# KiCad board 2000ATX.kicad_pcb
title: Amiga 2000 EATX; date: 2024-06-02; rev: 3.1
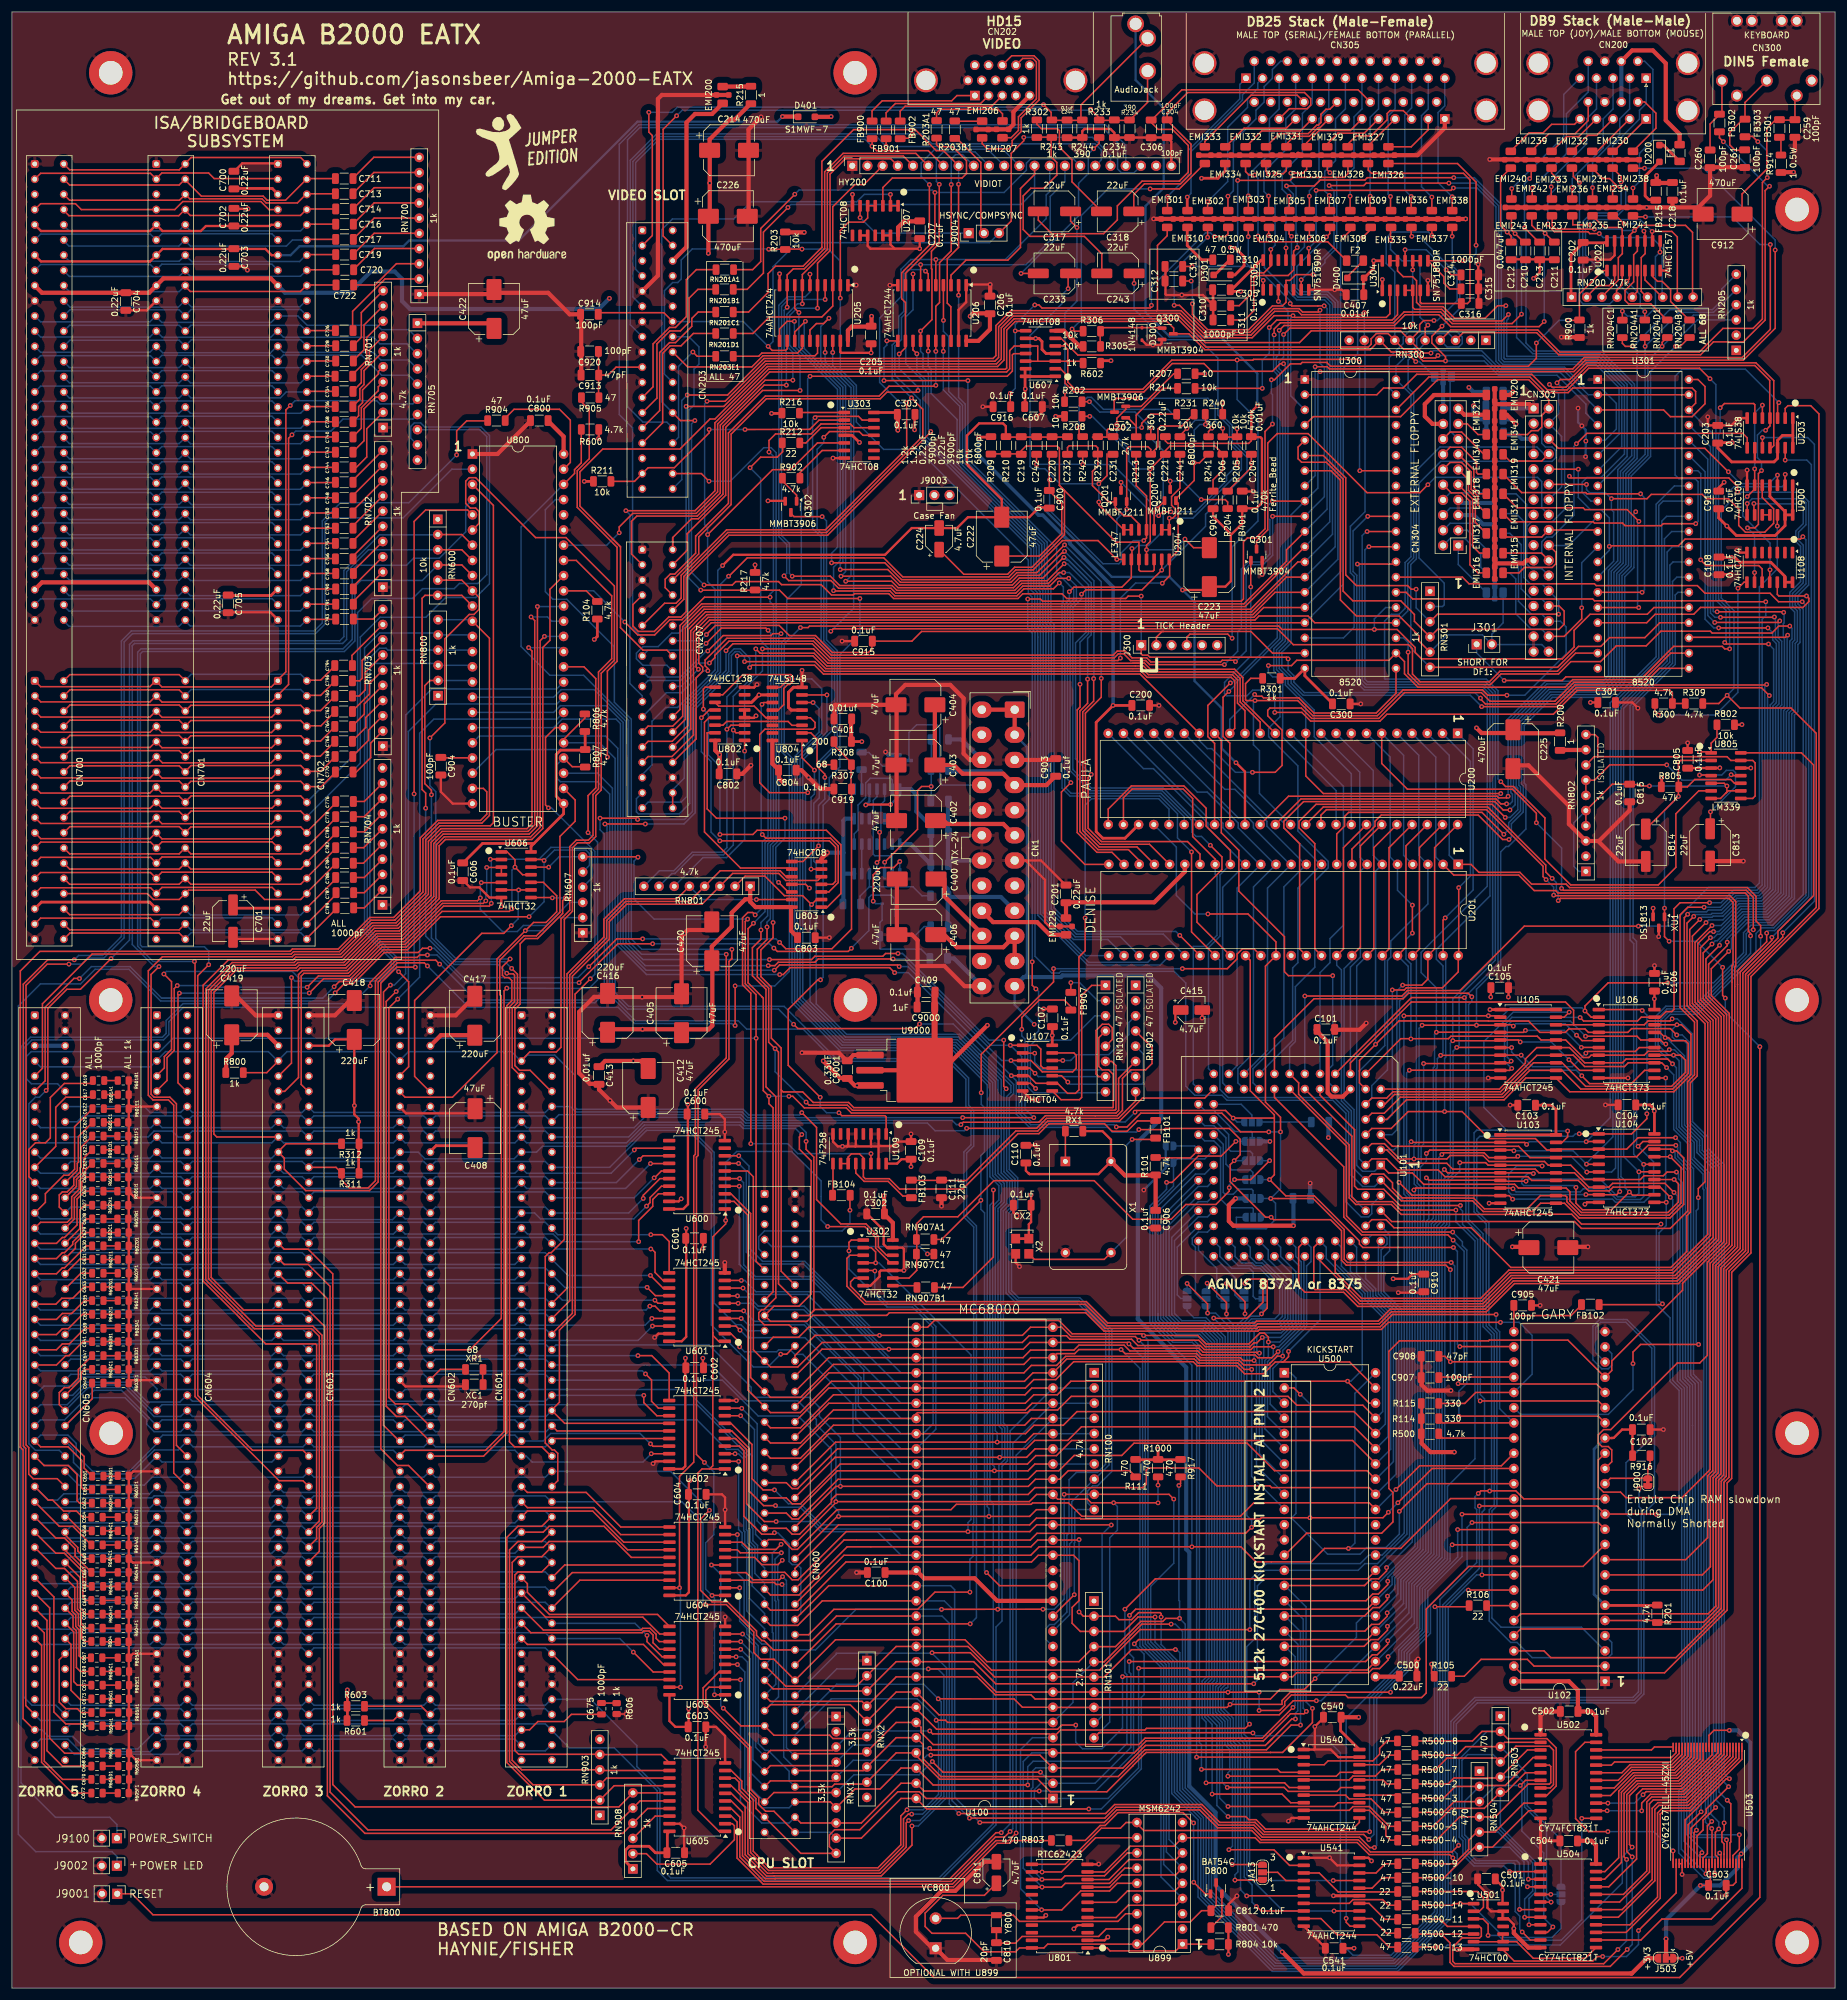
[diagram p0: board, top side]
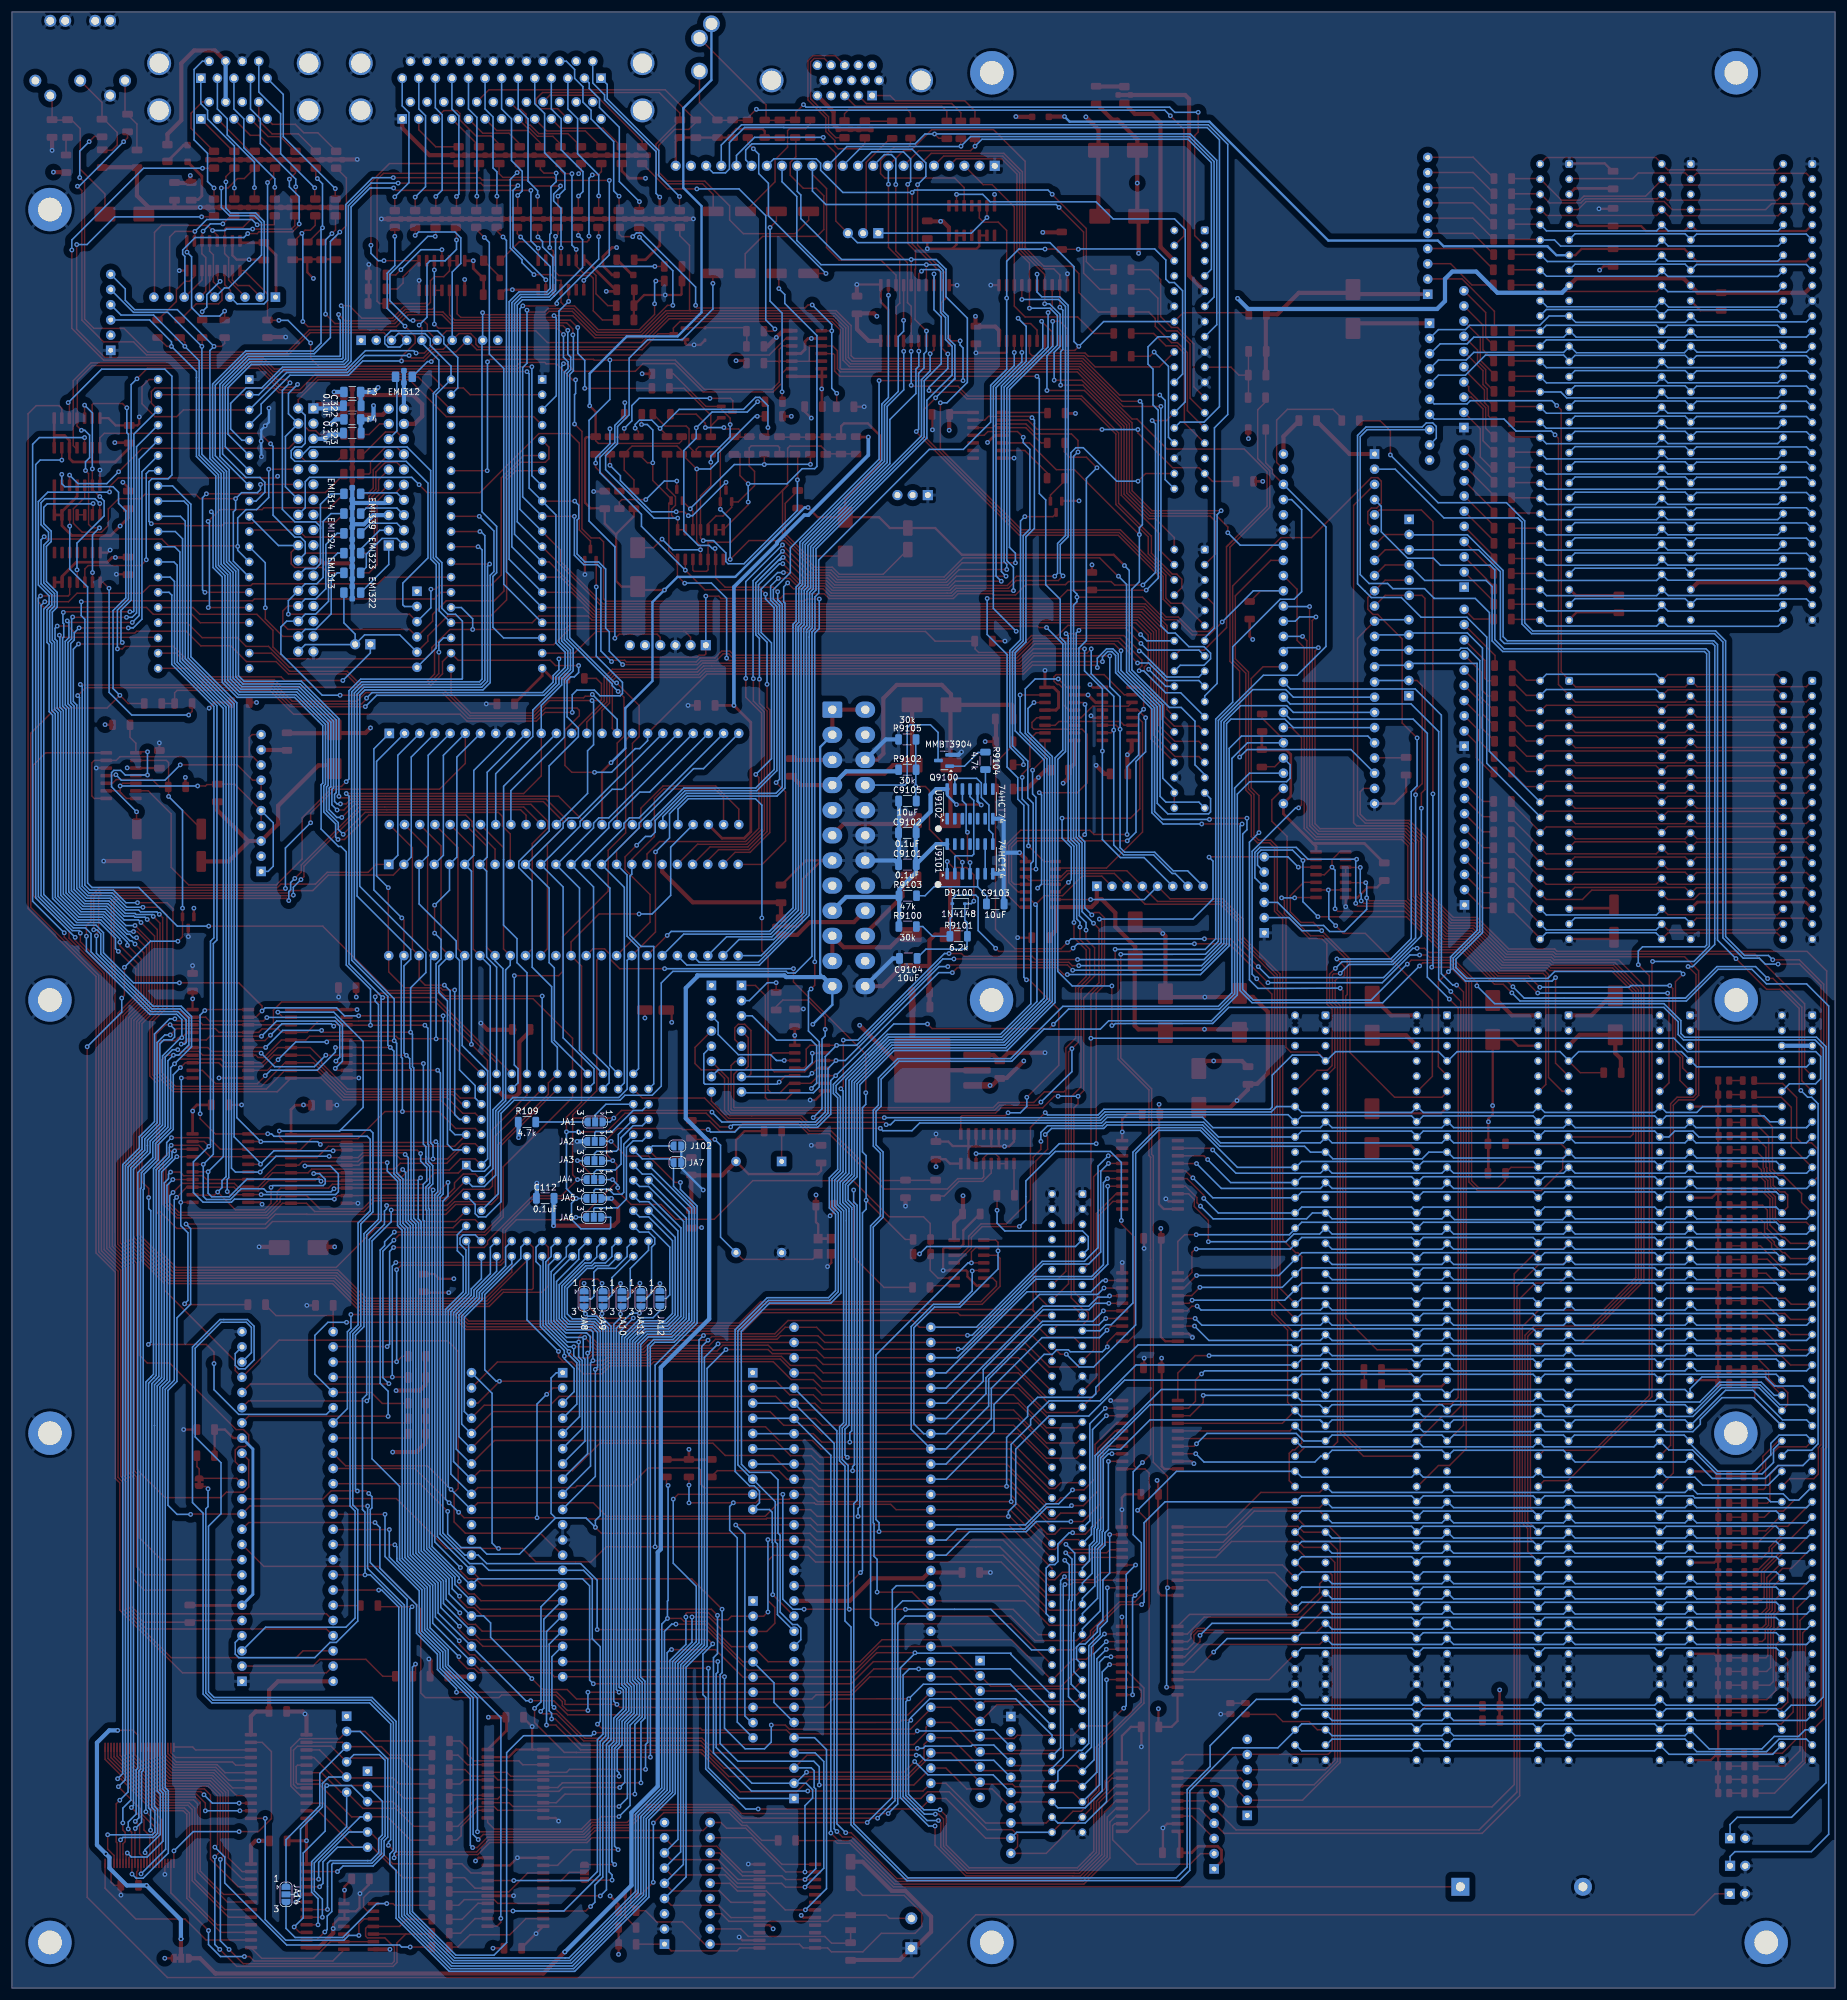
[diagram p1: board, bottom side, seen from below]

Outline 304.8 x 330.2 mm; copper layers: Top, In1.Cu (plane), In2.Cu (plane), Bottom. Coordinates in mm from the lower left corner of the outline.
Outline path: 0,330.2 304.8,330.2 304.8,0 0,0 0,330.2
Stack: Top 0.035mm / dielectric 0.48mm FR4 er 4.5 / In1.Cu 0.035mm / dielectric 0.48mm FR4 er 4.5 / In2.Cu 0.035mm / dielectric 0.48mm FR4 er 4.5 / Bottom 0.035mm

## Placement (name value [footprint] x y rotation side)
BT800  Battery_Cell  [BatteryHolder_Keystone_103_1x20mm]  62.64 16.92 180 top
C100  0.1uF  [C_1206_3216Metric]  144.5 69.43 180 top
C101  0.1uF  [C_1206_3216Metric]  219.67 160.18 0 top
C102  0.1uF  [C_1206_3216Metric]  272.41 93.32 0 top
C103  0.1uF  [C_1206_3216Metric]  253.24 147.52 180 top
C104  0.1uF  [C_1206_3216Metric]  270 147.57 180 top
C105  0.1uF  [C_1206_3216Metric]  248.74 167.17 0 top
C106  0.1uF  [C_1206_3216Metric]  274.61 168.07 90 top
C107  0.1uF  [C_1206_3216Metric]  173.96 162.12 90 top
C108  0.1uF  [C_1206_3216Metric]  285.39 237.64 90 top
C109  0.1uF  [C_1206_3216Metric]  150.32 139.97 270 top
C110  0.1uF  [C_1206_3216Metric]  169.52 139.34 90 top
C111  22pF  [C_1206_3216Metric]  155.41 133.53 270 top
C112  0.1uF  [C_1206_3216Metric]  215.65 131.97 180 bottom
C200  0.1uF  [C_1206_3216Metric]  188.72 214.33 0 top
C201  0.22uF  [C_1206_3216Metric]  176.23 182.83 90 top
C202  0.1uF  [C_1206_3216Metric]  262.69 290.22 90 top
C203  0.1uF  [C_1206_3216Metric]  285.19 259.64 270 top
C204  0.01uF  [C_1206_3216Metric]  207.21 257.76 90 top
C205  0.1uF  [C_1206_3216Metric]  143.64 276.23 90 top
C206  0.1uF  [C_1206_3216Metric]  163.51 281.24 270 top
C207  0.1uF  [C_1206_3216Metric]  151.76 293.81 270 top
C210  0.047uF  [C_1206_3216Metric]  253.03 290.27 270 top
C211  0.047uF  [C_1206_3216Metric]  257.86 290.27 270 top
C212  0.047uF  [C_1206_3216Metric]  250.65 290.27 270 top
C213  0.047uF  [C_1206_3216Metric]  255.42 290.27 270 top
C214  470uF  [CP_Elec_8x10]  119.89 307.09 0 top
C218  0.1uF  [C_1206_3216Metric]  277.62 300.23 270 top
C219  0.22uF  [C_1206_3216Metric]  168.74 257.76 90 top
C220  0.22uF  [C_1206_3216Metric]  173.9 257.76 90 top
C221  0.22uF  [C_1206_3216Metric]  192.84 257.76 270 top
C222  47uF  [CP_Elec_8x10]  165.48 242.53 90 top
C223  47uF  [CP_Elec_8x10]  200.19 237.43 90 top
C224  4.7uF  [CP_Elec_4x5.8]  155.02 242.16 90 top
C225  470uF  [CP_Elec_8x10]  250.95 207.01 270 top
C226  470uF  [CP_Elec_8x10]  119.68 296.06 0 top
C231  6800pF  [C_1206_3216Metric]  184.08 257.76 90 top
C232  3900pF  [C_1206_3216Metric]  176.47 257.76 90 top
C233  22uF  [CP_Elec_6.3x5.8]  174.29 286.51 180 top
C234  0.1uF  [C_1206_3216Metric]  184.31 310.69 270 top
C241  6800pF  [C_1206_3216Metric]  195.28 257.76 90 top
C242  3900pF  [C_1206_3216Metric]  171.32 257.76 90 top
C243  22uF  [CP_Elec_6.3x5.8]  184.91 286.51 180 top
C244  0.1uF  [C_1206_3216Metric]  176.41 310.67 270 top
C259  100pF  [C_1206_3216Metric]  298.09 310.73 270 top
C260  100pF  [C_1206_3216Metric]  283.91 305.66 270 top
C261  100pF  [C_1206_3216Metric]  289.7 305.68 270 top
C300  0.1uF  [C_1206_3216Metric]  222.25 214.58 180 top
C301  0.1uF  [C_1206_3216Metric]  266.61 214.82 0 top
C302  0.1uF  [C_1206_3216Metric]  144.39 129.35 0 top
C303  0.1uF  [C_1206_3216Metric]  149.5 262.97 0 top
C304  100pF  [C_1206_3216Metric]  193.13 310.7 270 top
C305  0.1uF  [C_1206_3216Metric]  202.22 283.79 180 top
C306  100pF  [C_1206_3216Metric]  190.46 310.67 270 top
C310  1000pF  [C_1206_3216Metric]  202.29 281.13 180 top
C311  1000pF  [C_1206_3216Metric]  202.29 278.74 180 top
C312  1000pF  [C_1206_3216Metric]  194.26 285.24 180 top
C313  1000pF  [C_1206_3216Metric]  194.26 287.68 180 top
C314  1000pF  [C_1206_3216Metric]  243.74 286.26 180 top
C315  1000pF  [C_1206_3216Metric]  243.74 283.92 180 top
C316  1000pF  [C_1206_3216Metric]  243.79 281.48 180 top
C317  22uF  [CP_Elec_6.3x5.8]  174.29 296.88 180 top
C318  22uF  [CP_Elec_6.3x5.8]  184.86 296.88 180 top
C322  0.1uF  [C_1206_3216Metric]  247.9 264.41 180 bottom
C323  0.1uF  [C_1206_3216Metric]  247.9 259.84 180 bottom
C400  220uF  [CP_Elec_8x10]  151.25 185.32 180 top
C401  0.01uf  [C_1206_3216Metric]  138.91 212.06 180 top
C402  47uF  [CP_Elec_8x10]  151.15 195.07 180 top
C403  47uF  [CP_Elec_8x10]  151.05 204.37 180 top
C404  47uF  [CP_Elec_8x10]  151.05 214.43 180 top
C405  47uF  [CP_Elec_8x10]  111.95 162.89 90 top
C406  47uF  [CP_Elec_8x10]  151.2 176.02 180 top
C407  0.01uf  [C_1206_3216Metric]  224.54 282.96 180 top
C408  47uF  [CP_Elec_8x10]  77.42 143.68 270 top
C409  0.1uf  [C_1206_3216Metric]  152.86 166.42 180 top
C412  47uF  [CP_Elec_8x10]  106.37 150.4 90 top
C413  0.01uf  [C_1206_3216Metric]  98.15 152.49 270 top
C415  4.7uF  [CP_Elec_4x5.8]  197.21 163.42 0 top
C416  220uF  [CP_Elec_8x10]  99.58 162.96 90 top
C417  220uF  [CP_Elec_8x10]  77.38 162.47 90 top
C418  220uF  [CP_Elec_8x10]  57.23 161.76 90 top
C419  220uF  [CP_Elec_8x10]  36.74 162.53 90 top
C420  47uF  [CP_Elec_8x10]  117 174.91 90 top
C421  47uF  [CP_Elec_8x10]  256.87 123.73 0 top
C422  47uF  [CP_Elec_8x10]  80.59 280.57 90 top
C500  0.22uF  [C_1206_3216Metric]  233.42 52.12 0 top
C501  0.1uF  [C_1206_3216Metric]  246.52 18.24 180 top
C502  0.1uF  [C_1206_3216Metric]  260.35 46.22 180 top
C503  0.1uF  [C_1206_3216Metric]  285.13 17.16 0 top
C504  0.1uF  [C_1206_3216Metric]  260.27 24.58 180 top
C540  0.1uF  [C_1206_3216Metric]  220.74 45.25 0 top
C541  0.1uF  [C_1206_3216Metric]  221.06 6.65 0 top
C600  0.1uF  [C_1206_3216Metric]  114.36 146.04 0 top
C601  0.1uF  [C_1206_3216Metric]  114.12 125.27 0 top
C602  0.1uF  [C_1206_3216Metric]  114.15 103.63 0 top
C603  0.1uF  [C_1206_3216Metric]  114.53 43.64 0 top
C604  0.1uF  [C_1206_3216Metric]  114.58 82.5 0 top
C605  0.1uF  [C_1206_3216Metric]  110.97 22.61 180 top
C606  0.1uF  [C_1206_3216Metric]  75.36 186.54 270 top
C607  0.1uF  [C_1206_3216Metric]  170.79 264.26 180 top
C617  1000pF  [C_0805_2012Metric]  14.48 149.29 180 top
C619  1000pF  [C_0805_2012Metric]  14.48 151.64 180 top
C620  1000pF  [C_0805_2012Metric]  14.41 144.65 180 top
C621  1000pF  [C_0805_2012Metric]  14.35 140.08 180 top
C622  1000pF  [C_0805_2012Metric]  14.41 146.94 180 top
C623  1000pF  [C_0805_2012Metric]  14.37 142.37 180 top
C624  1000pF  [C_0805_2012Metric]  14.35 137.79 180 top
C625  1000pF  [C_0805_2012Metric]  14.35 135.51 180 top
C626  1000pF  [C_0805_2012Metric]  14.35 133.16 180 top
C627  1000pF  [C_0805_2012Metric]  14.35 130.81 180 top
C628  1000pF  [C_0805_2012Metric]  14.35 128.52 180 top
C629  1000pF  [C_0805_2012Metric]  14.35 126.24 180 top
C630  1000pF  [C_0805_2012Metric]  14.35 124.02 180 top
C631  1000pF  [C_0805_2012Metric]  14.35 121.79 180 top
C632  1000pF  [C_0805_2012Metric]  14.35 119.44 180 top
C633  1000pF  [C_0805_2012Metric]  14.35 117.16 180 top
C635  1000pF  [C_0805_2012Metric]  14.35 114.87 180 top
C637  1000pF  [C_0805_2012Metric]  14.35 112.59 180 top
C639  1000pF  [C_0805_2012Metric]  14.35 110.24 180 top
C641  1000pF  [C_0805_2012Metric]  14.35 108.01 180 top
C645  1000pF  [C_0805_2012Metric]  14.35 103.38 180 top
C647  1000pF  [C_0805_2012Metric]  14.35 105.66 180 top
C649  1000pF  [C_0805_2012Metric]  14.35 101.09 180 top
C650  1000pF  [C_0805_2012Metric]  14.35 83.31 180 top
C651  1000pF  [C_0805_2012Metric]  14.35 85.53 180 top
C652  1000pF  [C_0805_2012Metric]  14.3 81.03 180 top
C654  1000pF  [C_0805_2012Metric]  14.22 78.68 180 top
C655  1000pF  [C_0805_2012Metric]  14.22 74.04 180 top
C657  1000pF  [C_0805_2012Metric]  14.22 69.47 180 top
C658  1000pF  [C_0805_2012Metric]  14.29 76.39 180 top
C659  1000pF  [C_0805_2012Metric]  14.22 64.77 180 top
C660  1000pF  [C_0805_2012Metric]  14.29 71.75 180 top
C661  1000pF  [C_0805_2012Metric]  14.22 60.13 180 top
C662  1000pF  [C_0805_2012Metric]  14.29 67.12 180 top
C663  1000pF  [C_0805_2012Metric]  14.22 62.48 180 top
C664  1000pF  [C_0805_2012Metric]  14.22 43.81 180 top
C665  1000pF  [C_0805_2012Metric]  14.22 57.91 180 top
C666  1000pF  [C_0805_2012Metric]  14.22 39.24 180 top
C667  1000pF  [C_0805_2012Metric]  14.16 55.18 180 top
C668  1000pF  [C_0805_2012Metric]  14.22 37.08 180 top
C669  1000pF  [C_0805_2012Metric]  14.22 52.9 180 top
C670  1000pF  [C_0805_2012Metric]  14.22 34.86 180 top
C671  1000pF  [C_0805_2012Metric]  14.22 50.61 180 top
C672  1000pF  [C_0805_2012Metric]  14.22 32.58 180 top
C673  1000pF  [C_0805_2012Metric]  14.22 48.32 180 top
C674  1000pF  [C_0805_2012Metric]  14.22 46.04 180 top
C675  1000pF  [C_0805_2012Metric]  98.56 46.68 270 top
C700  0.22uF  [C_1206_3216Metric]  37.11 302.11 90 top
C701  22uF  [CP_Elec_6.3x5.8]  36.96 178.28 270 top
C702  0.22uF  [C_1206_3216Metric]  37.11 295.91 90 top
C703  0.22uF  [C_1206_3216Metric]  37.11 289.17 270 top
C704  0.22uF  [C_1206_3216Metric]  19.04 281.82 270 top
C705  0.22uF  [C_1206_3216Metric]  36.14 231.29 270 top
C711  1000pF  [C_1206_3216Metric]  55.55 302.36 180 top
C713  1000pF  [C_1206_3216Metric]  55.55 299.82 180 top
C714  1000pF  [C_1206_3216Metric]  55.6 297.28 180 top
C716  1000pF  [C_1206_3216Metric]  55.6 294.74 180 top
C717  1000pF  [C_1206_3216Metric]  55.6 292.2 180 top
C719  1000pF  [C_1206_3216Metric]  55.6 289.66 180 top
C720  1000pF  [C_1206_3216Metric]  55.65 287.12 180 top
C722  1000pF  [C_1206_3216Metric]  55.65 284.58 180 top
C726  1000pF  [C_1206_3216Metric]  55.55 276.96 180 top
C728  1000pF  [C_1206_3216Metric]  55.6 274.42 180 top
C730  1000pF  [C_1206_3216Metric]  55.6 271.88 180 top
C732  1000pF  [C_1206_3216Metric]  55.5 269.34 180 top
C734  1000pF  [C_1206_3216Metric]  55.55 266.8 180 top
C736  1000pF  [C_1206_3216Metric]  55.52 264.26 180 top
C738  1000pF  [C_1206_3216Metric]  55.55 261.72 180 top
C740  1000pF  [C_1206_3216Metric]  55.55 259.18 180 top
C742  1000pF  [C_1206_3216Metric]  55.55 256.64 180 top
C744  1000pF  [C_1206_3216Metric]  55.55 254.1 180 top
C746  1000pF  [C_1206_3216Metric]  55.55 251.61 180 top
C748  1000pF  [C_1206_3216Metric]  55.55 249.02 180 top
C750  1000pF  [C_1206_3216Metric]  55.55 246.48 180 top
C752  1000pF  [C_1206_3216Metric]  55.55 243.94 180 top
C754  1000pF  [C_1206_3216Metric]  55.55 241.4 180 top
C756  1000pF  [C_1206_3216Metric]  55.55 238.81 180 top
C758  1000pF  [C_1206_3216Metric]  55.6 236.37 180 top
C760  1000pF  [C_1206_3216Metric]  55.45 215.9 180 top
C762  1000pF  [C_1206_3216Metric]  55.45 213.31 180 top
C764  1000pF  [C_1206_3216Metric]  55.45 210.82 180 top
C766  1000pF  [C_1206_3216Metric]  55.45 208.33 180 top
C768  1000pF  [C_1206_3216Metric]  55.5 205.79 180 top
C770  1000pF  [C_1206_3216Metric]  55.55 203.2 180 top
C776  1000pF  [C_1206_3216Metric]  55.6 198.27 180 top
C778  1000pF  [C_1206_3216Metric]  55.6 195.73 180 top
C780  1000pF  [C_1206_3216Metric]  55.6 193.19 180 top
C782  1000pF  [C_1206_3216Metric]  55.6 190.55 180 top
C784  1000pF  [C_1206_3216Metric]  55.6 187.96 180 top
C786  1000pF  [C_1206_3216Metric]  55.6 185.57 180 top
C787  1000pF  [C_1206_3216Metric]  55.65 183.03 180 top
C789  1000pF  [C_1206_3216Metric]  55.65 180.49 180 top
C790  1000pF  [C_1206_3216Metric]  55.6 233.78 180 top
C791  1000pF  [C_1206_3216Metric]  55.6 231.24 180 top
C793  1000pF  [C_1206_3216Metric]  55.6 228.75 180 top
C794  1000pF  [C_1206_3216Metric]  55.45 220.98 180 top
C796  1000pF  [C_1206_3216Metric]  55.45 218.44 180 top
C800  0.1uF  [C_1206_3216Metric]  88.16 261.92 180 top
C802  0.1uF  [C_1206_3216Metric]  119.72 202.89 0 top
C803  0.1uF  [C_1206_3216Metric]  132.82 175.51 0 top
C804  0.1uF  [C_1206_3216Metric]  129.64 203.5 0 top
C805  0.1uF  [C_1206_3216Metric]  280.16 205.32 90 top
C810  20pF  [C_1206_3216Metric]  164.59 6.1 270 top
C811  4.7uF  [CP_Elec_4x5.8]  164.59 19.3 90 top
C812  0.1uF  [C_1206_3216Metric]  201.93 12.93 0 top
C813  22uF  [CP_Elec_6.3x5.8]  283.92 191.01 270 top
C814  22uF  [CP_Elec_6.3x5.8]  273.15 190.96 270 top
C815  0.1uF  [C_1206_3216Metric]  270.46 199.69 270 top
C900  0.1uF  [C_1206_3216Metric]  173.43 248.77 270 top
C901  0.1uF  [C_1206_3216Metric]  200.81 248.67 90 top
C903  0.1uf  [C_1206_3216Metric]  174.5 203.96 90 top
C904  100pF  [C_1206_3216Metric]  71.7 204.17 270 top
C905  100pF  [C_1206_3216Metric]  252.57 114.07 0 top
C906  0.1uf  [C_1206_3216Metric]  191.21 128.47 270 top
C907  100pF  [C_1206_3216Metric]  237.08 102.01 180 top
C908  47pF  [C_1206_3216Metric]  237.08 105.56 180 top
C910  0.1uf  [C_1206_3216Metric]  236.05 117.82 270 top
C912  470uF  [CP_Elec_8x10]  286 296.42 180 top
C913  47pF  [C_1206_3216Metric]  96.62 269.52 180 top
C914  100pF  [C_1206_3216Metric]  96.55 279.68 0 top
C915  0.1uF  [C_1206_3216Metric]  142.37 225.07 180 top
C916  0.1uF  [C_1206_3216Metric]  165.51 264.24 180 top
C918  0.1uF  [C_1206_3216Metric]  285.34 248.67 90 top
C919  0.1uF  [C_1206_3216Metric]  138.89 200.36 180 top
C920  100pF  [C_1206_3216Metric]  96.57 273.48 180 top
C9000  1uF  [C_1206_3216Metric]  152.81 163.93 180 top
C9001  0.33uF  [C_1206_3216Metric]  139.65 153.47 90 top
C9101  0.1uF  [C_1206_3216Metric]  155.09 187.72 0 bottom
C9102  0.1uF  [C_1206_3216Metric]  155.1 193.03 0 bottom
C9103  10uF  [C_1206_3216Metric]  140.4 181.15 180 bottom
C9104  10uF  [C_1206_3216Metric]  154.94 172.05 0 bottom
C9105  10uF  [C_1206_3216Metric]  155.09 198.35 0 bottom
CN1  ATX-24  [Molex_Mini-Fit_Jr_5566-24A_2x12_P4.20mm_Vertical]  167.64 213.61 270 top
CN200  DB9_Male_Stack  [DSUB-9_Male_Stack]  267.64 330.15 180 top
CN202  DB15_Female_HighDensity  [DSUB-15-HD_Female_Horizontal_P2.29x1.98mm_EdgePinOffset8.35mm_Housed_MountingHolesOffset10.89mm]  165.56 330.2 180 top
CN203  Amiga-2000-Video-Slot  [2x18_P2.54mm_Horizontal]  107.8 270.97 270 top
CN205  AudioJack  [Jack_3.5mm_CUI_SJ1-3533NG_Horizontal_CircularHoles]  187.86 328.22 0 top
CN207  Amiga-2000-Video-Slot  [2x18_P2.54mm_Horizontal]  107.8 217.63 270 top
CN300  KEYBOARD  [DIN5]  293.39 328.73 180 top
CN303  INTERNAL FLOPPY  [PinHeader_2x17_P2.54mm_Vertical]  254.4 263.96 0 top
CN304  EXTERNAL FLOPPY  [PinHeader_2x10_P2.54mm_Vertical]  241.81 241.05 180 top
CN305  DB25_Stack_FemaleAndMale  [DSUB-25_Stack_Female_Bottom_Male_Top]  222.95 330.15 180 top
CN600  Amiga-2000-CPU-Slot  [Samtec_HLE-150-02-xx-DV-TE_2x43_P2.54mm_Horizontal]  128.37 132.7 270 top
CN601  Amiga-2000-Zorro-Slot  [Samtec_HLE-150-02-xx-DV-TE_2x50_P2.54mm_Horizontal]  87.73 162.53 270 top
CN602  Amiga-2000-Zorro-Slot  [Samtec_HLE-150-02-xx-DV-TE_2x50_P2.54mm_Horizontal]  67.41 162.53 270 top
CN603  Amiga-2000-Zorro-Slot  [Samtec_HLE-150-02-xx-DV-TE_2x50_P2.54mm_Horizontal]  47.09 162.53 270 top
CN604  Amiga-2000-Zorro-Slot  [Samtec_HLE-150-02-xx-DV-TE_2x50_P2.54mm_Horizontal]  26.77 162.53 270 top
CN605  Amiga-2000-Zorro-Slot  [Samtec_HLE-150-02-xx-DV-TE_2x50_P2.54mm_Horizontal]  6.35 162.53 270 top
CN700  ISA-16-BIT-Slot  [ISA_16-BIT_P2.54mm_Horizontal]  6.38 241.3 270 top
CN701  ISA-16-BIT-Slot  [ISA_16-BIT_P2.54mm_Horizontal]  26.7 241.3 270 top
CN702  ISA-16-BIT-Slot  [ISA_16-BIT_P2.54mm_Horizontal]  47.02 241.3 270 top
CX2  0.1uF  [C_1206_3216Metric]  168.91 130.81 180 top
D200  S1MWF-7  [D_SOD-123F]  275.44 306.55 270 top
D300  1N4148  [D_SOD-323]  188.93 276.4 270 top
D301  S1MWF-7  [D_SOD-123F]  202.31 286.26 0 top
D400  S1MWF-7  [D_SOD-123F]  224.67 285.75 0 top
D401  S1MWF-7  [D_SOD-123F]  132.84 312.67 0 top
D800  BAT54C  [SOT-23]  201.33 16.68 90 top
D9100  1N4148  [D_SOD-323]  146.53 181.2 0 bottom
EMI200  100pF  [C_1206_3216_Feedthrough]  118.82 316.33 90 top
EMI206  100pF  [C_1206_3216_Feedthrough]  162.2 310.57 270 top
EMI207  100pF  [C_1206_3216_Feedthrough]  165.61 310.59 270 top
EMI229  100pF  [C_1206_3216_Feedthrough]  176.23 177.39 90 top
EMI230  100pF  [C_1206_3216_Feedthrough]  267.61 305.51 90 top
EMI231  100pF  [C_1206_3216_Feedthrough]  264.21 305.51 90 top
EMI232  100pF  [C_1206_3216_Feedthrough]  260.81 305.51 90 top
EMI233  100pF  [C_1206_3216_Feedthrough]  257.4 305.51 90 top
EMI234  100pF  [C_1206_3216_Feedthrough]  267.63 297.54 90 top
EMI235  100pF  [C_1206_3216_Feedthrough]  264.24 297.54 90 top
EMI236  100pF  [C_1206_3216_Feedthrough]  260.86 297.54 90 top
EMI237  100pF  [C_1206_3216_Feedthrough]  257.47 297.54 90 top
EMI238  100pF  [C_1206_3216_Feedthrough]  271.02 305.51 270 top
EMI239  100pF  [C_1206_3216_Feedthrough]  254 305.51 270 top
EMI240  100pF  [C_1206_3216_Feedthrough]  250.6 305.51 270 top
EMI241  100pF  [C_1206_3216_Feedthrough]  271.02 297.54 270 top
EMI242  100pF  [C_1206_3216_Feedthrough]  254.08 297.54 90 top
EMI243  100pF  [C_1206_3216_Feedthrough]  250.7 297.54 90 top
EMI300  100pF  [C_1206_3216_Feedthrough]  203.35 295.61 270 top
EMI301  100pF  [C_1206_3216_Feedthrough]  193.14 295.61 90 top
EMI302  100pF  [C_1206_3216_Feedthrough]  199.95 295.61 90 top
EMI303  100pF  [C_1206_3216_Feedthrough]  206.76 295.61 90 top
EMI304  100pF  [C_1206_3216_Feedthrough]  210.16 295.61 90 top
EMI305  100pF  [C_1206_3216_Feedthrough]  213.56 295.61 90 top
EMI306  100pF  [C_1206_3216_Feedthrough]  216.97 295.61 90 top
EMI307  100pF  [C_1206_3216_Feedthrough]  220.37 295.61 90 top
EMI308  100pF  [C_1206_3216_Feedthrough]  223.77 295.61 90 top
EMI309  100pF  [C_1206_3216_Feedthrough]  227.18 295.61 90 top
EMI310  100pF  [C_1206_3216_Feedthrough]  196.55 295.61 270 top
EMI311  100pF  [C_1206_3216_Feedthrough]  247.9 246.38 180 top
EMI312  100pF  [C_1206_3216_Feedthrough]  239.27 269.24 0 bottom
EMI313  100pF  [C_1206_3216_Feedthrough]  247.9 236.47 180 bottom
EMI314  100pF  [C_1206_3216_Feedthrough]  247.9 249.68 180 bottom
EMI315  100pF  [C_1206_3216_Feedthrough]  247.9 239.78 180 top
EMI316  100pF  [C_1206_3216_Feedthrough]  247.9 236.47 180 top
EMI317  100pF  [C_1206_3216_Feedthrough]  247.9 243.08 180 top
EMI318  100pF  [C_1206_3216_Feedthrough]  247.9 249.68 180 top
EMI319  100pF  [C_1206_3216_Feedthrough]  247.9 252.98 180 top
EMI320  100pF  [C_1206_3216_Feedthrough]  247.9 266.19 180 top
EMI321  100pF  [C_1206_3216_Feedthrough]  247.9 262.89 180 top
EMI322  100pF  [C_1206_3216_Feedthrough]  247.9 233.17 180 bottom
EMI323  100pF  [C_1206_3216_Feedthrough]  247.9 239.78 180 bottom
EMI324  100pF  [C_1206_3216_Feedthrough]  247.9 243.08 180 bottom
EMI325  100pF  [C_1206_3216_Feedthrough]  209.67 306.27 90 top